# Altium PCB RK_NVR_DEMO1_RK3588_LP4XD200P232SD8_V21_20211228_final_lint.PcbDoc (part 19 of 29)
Units mm, origin at the board's own origin, x right, y up, seen from the top; angles counter-clockwise.
Board outline 170.08 x 169.98 mm, 8 copper layers (TOP, L2-GND1, L3-POWER1, L4-S1, L5-GND2, L6-S2, L7-GND3, BOTTOM), stack 2.118 mm thick; 1650 components, 1119 nets, 6165 pads, 15417 vias.
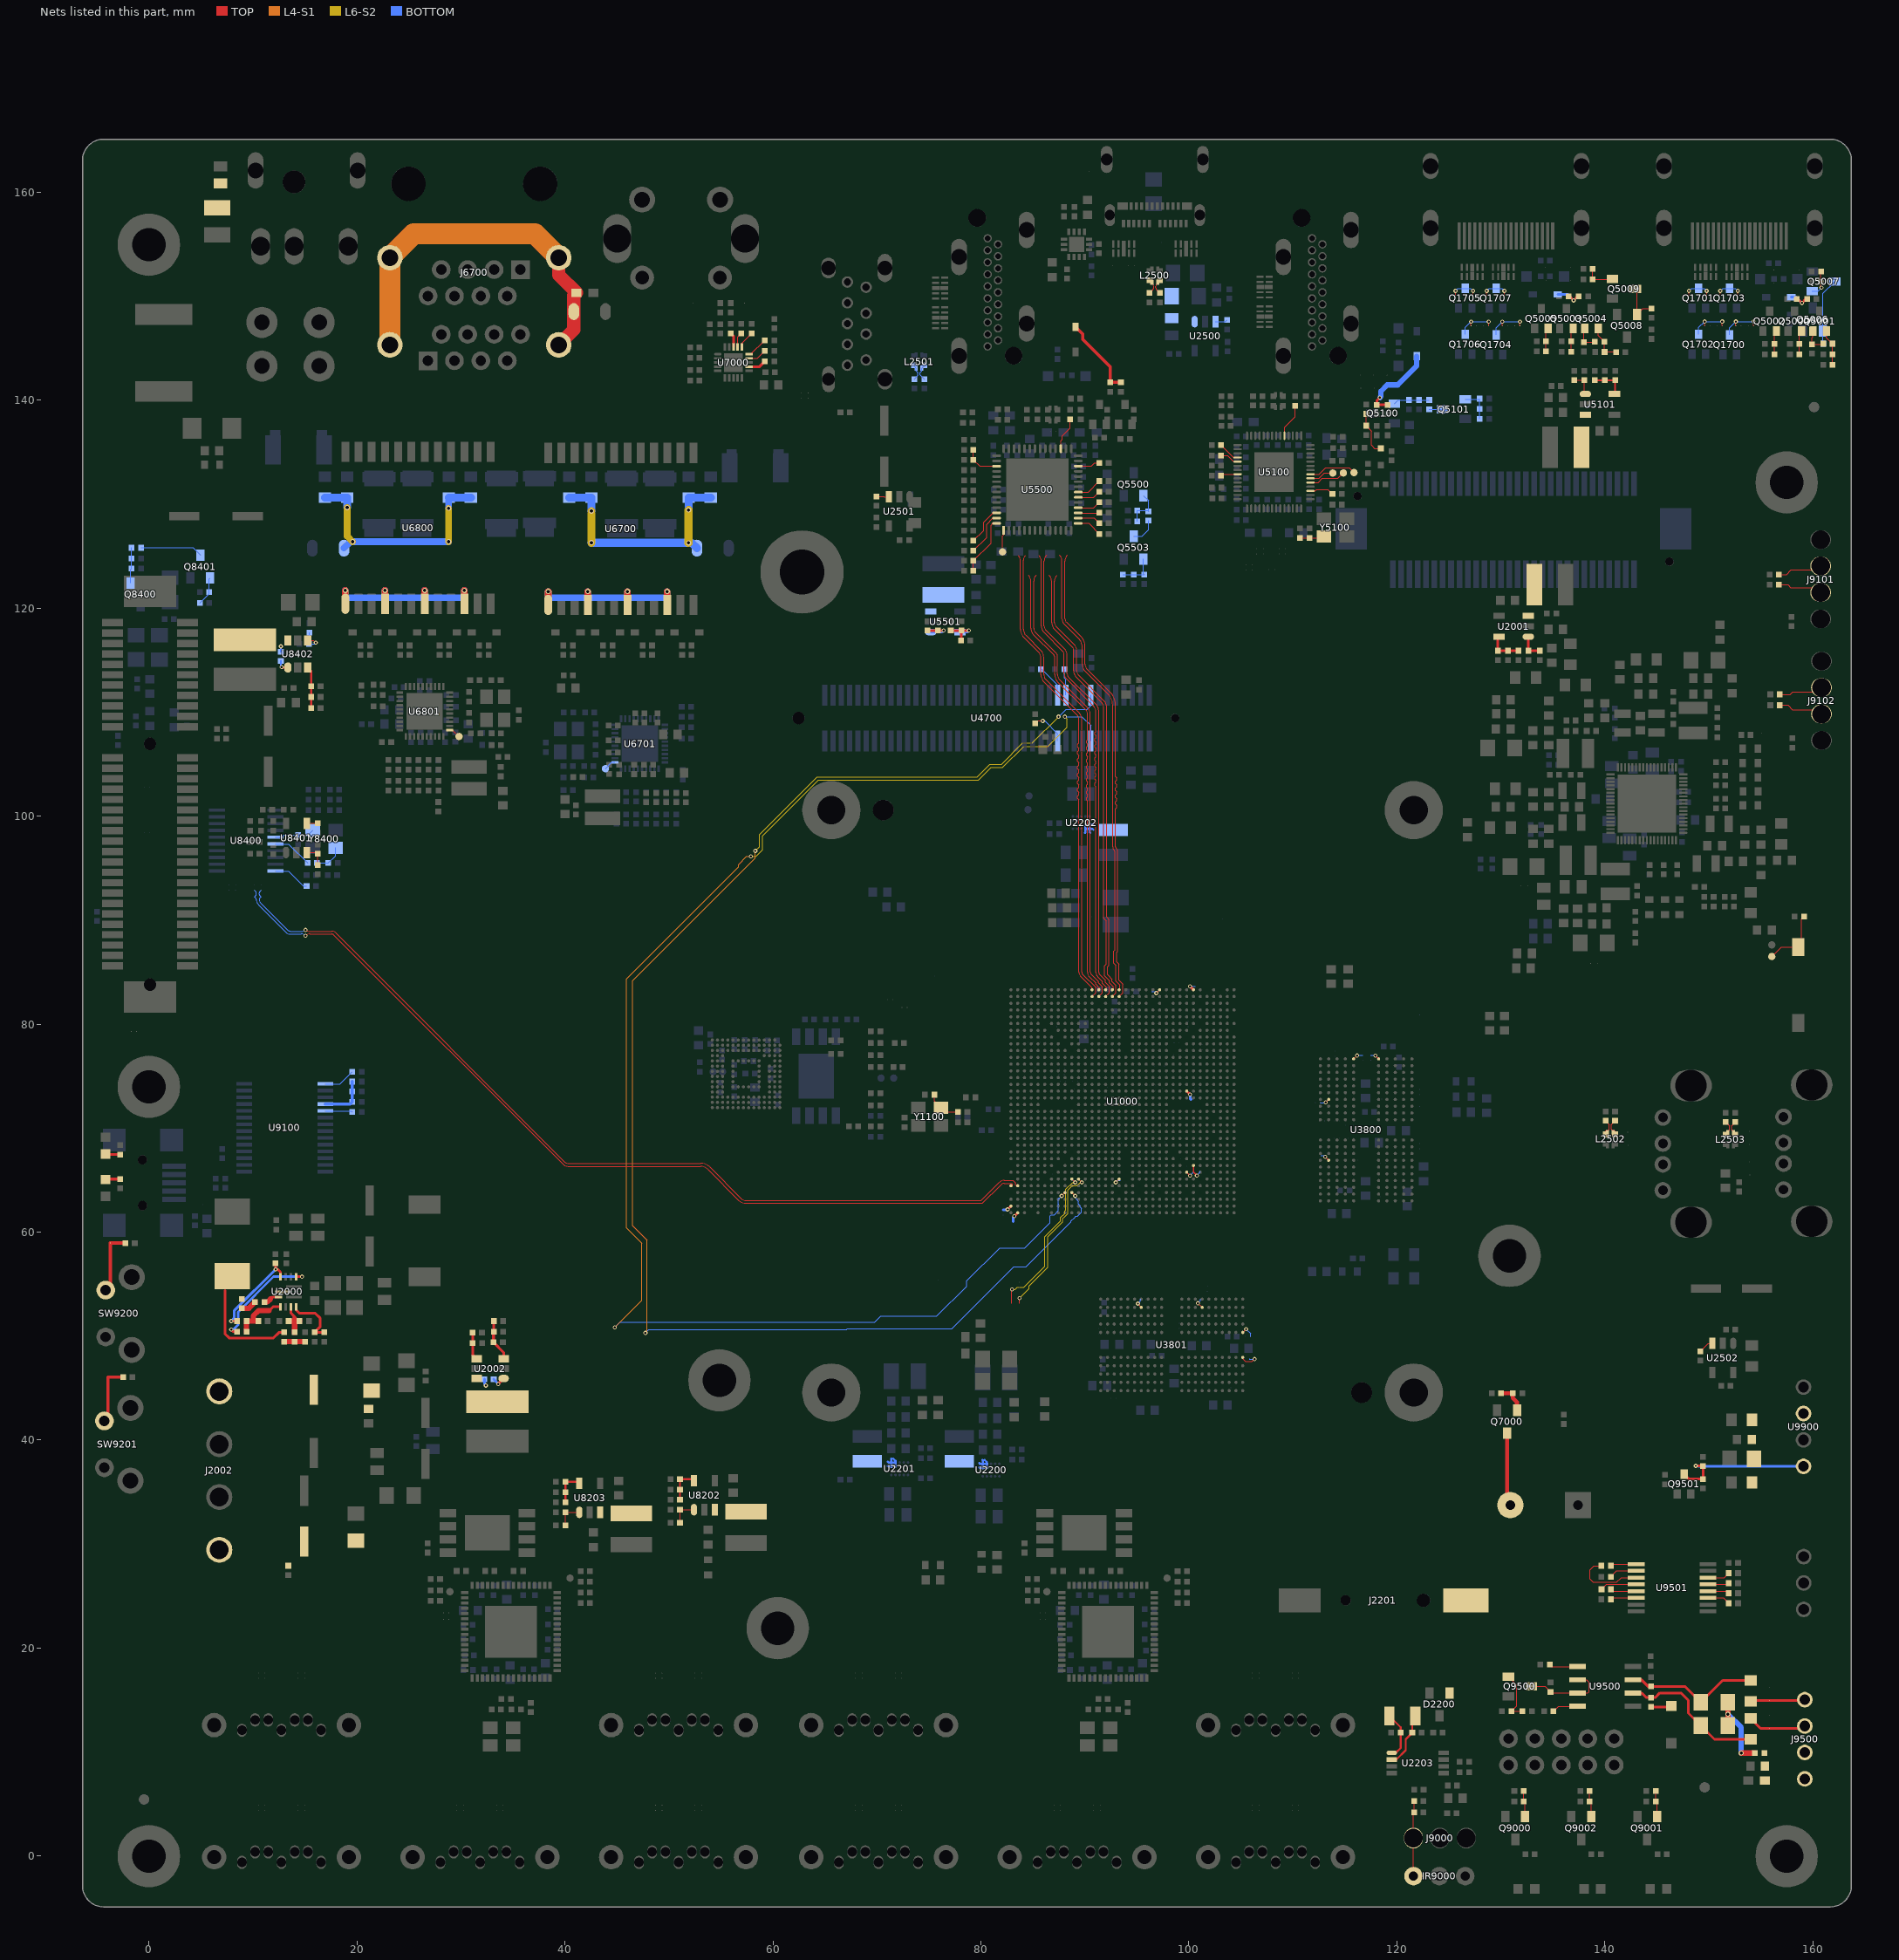
[diagram p25: the nets of this part, all layers, seen from the top]

## Via types
v1: diameter 0.4, hole 0.2, TOP to BOTTOM, 1688 vias
v2: diameter 0.4/0.4 (per signal layer), hole 0.2, TOP to L2-GND1, 1605 vias
v3: diameter 0/0/0/0/0/0/0/0.4 (per signal layer), hole 0.2, TOP to BOTTOM, 1253 vias
v4: diameter 0.4/0/0/0/0/0/0/0 (per signal layer), hole 0.2, TOP to BOTTOM, 1253 vias
v5: diameter 0.5, hole 0.3, TOP to BOTTOM, 857 vias
v6: diameter 0.4/0.4/0.4/0.4/0.4 (per signal layer), hole 0.2, L4-S1 to BOTTOM, 836 vias
v7: diameter 0/0/0/0/0/0/0/0.5 (per signal layer), hole 0.3, TOP to BOTTOM, 772 vias
v8: diameter 0.5/0/0/0/0/0/0/0 (per signal layer), hole 0.3, TOP to BOTTOM, 772 vias
v9: diameter 0.5/0.5 (per signal layer), hole 0.3, TOP to L2-GND1, 766 vias
v10: diameter 0.4/0.4 (per signal layer), hole 0.2, L7-GND3 to BOTTOM, 611 vias
v11: diameter 0.4/0.4/0.4/0.4 (per signal layer), hole 0.2, L5-GND2 to BOTTOM, 579 vias
v12: diameter 0.4 (per signal layer), hole 0.2, L6-S2 to L6-S2, 535 vias
v13: diameter 0.5/0.5/0.5/0.5/0.5 (per signal layer), hole 0.3, L4-S1 to BOTTOM, 457 vias
v14: diameter 0.5/0.5/0.5/0.5 (per signal layer), hole 0.3, L5-GND2 to BOTTOM, 455 vias
v15: diameter 0.4 (per signal layer), hole 0.2, L5-GND2 to L5-GND2, 418 vias
v16: diameter 0.5/0.5/0.5 (per signal layer), hole 0.3, TOP to L3-POWER1, 306 vias
v17: diameter 0.4 (per signal layer), hole 0.2, L4-S1 to L4-S1, 300 vias
v18: diameter 0.4/0.4/0.4 (per signal layer), hole 0.2, TOP to L3-POWER1, 287 vias
v19: diameter 0.5 (per signal layer), hole 0.3, L3-POWER1 to L3-POWER1, 242 vias
v20: diameter 0.5 (per signal layer), hole 0.3, L4-S1 to L4-S1, 240 vias
v21: diameter 0.5/0.5 (per signal layer), hole 0.3, L7-GND3 to BOTTOM, 192 vias
v22: diameter 0.5 (per signal layer), hole 0.3, L6-S2 to L6-S2, 166 vias
v23: diameter 0.4/0.4/0.4/0.4/0.4 (per signal layer), hole 0.2, TOP to L5-GND2, 134 vias
v24: diameter 0.5 (per signal layer), hole 0.3, L5-GND2 to L5-GND2, 114 vias
v25: diameter 0.5/0.5 (per signal layer), hole 0.3, L3-POWER1 to L4-S1, 111 vias
v26: diameter 0.4 (per signal layer), hole 0.2, L3-POWER1 to L3-POWER1, 93 vias
v27: diameter 0.4/0.4 (per signal layer), hole 0.2, L4-S1 to L5-GND2, 59 vias
v28: diameter 0.4/0.4/0/0/0.4/0/0.4/0.4 (per signal layer), hole 0.2, TOP to BOTTOM, 56 vias
v29: diameter 0.4/0/0/0.4/0/0/0/0.4 (per signal layer), hole 0.2, TOP to BOTTOM, 51 vias
v30: diameter 0.5/0.5 (per signal layer), hole 0.3, L4-S1 to L5-GND2, 46 vias
v31: diameter 0.4/0/0/0/0/0.4/0/0.4 (per signal layer), hole 0.2, TOP to BOTTOM, 42 vias
v32: diameter 0.5/0.5/0.5/0.5/0.5 (per signal layer), hole 0.3, TOP to L5-GND2, 32 vias
v33: diameter 0.4/0.4 (per signal layer), hole 0.2, L3-POWER1 to L4-S1, 29 vias
v34: diameter 0.4/0/0.4/0/0/0/0/0.4 (per signal layer), hole 0.2, TOP to BOTTOM, 29 vias
v35: diameter 0.4/0.4/0/0/0.4/0.4/0.4/0.4 (per signal layer), hole 0.2, TOP to BOTTOM, 21 vias
v36: diameter 0.5/0.5/0.5/0/0.5/0.5/0.5/0.5 (per signal layer), hole 0.3, TOP to BOTTOM, 4 vias
v37: diameter 0.5/0.5/0/0.5/0.5/0.5/0.5/0.5 (per signal layer), hole 0.3, TOP to BOTTOM, 3 vias
v38: diameter 0.4/0/0.4/0.4/0/0/0/0.4 (per signal layer), hole 0.2, TOP to BOTTOM, 2 vias
v39: diameter 0.4/0.4/0.4/0/0.4/0/0.4/0.4 (per signal layer), hole 0.2, TOP to BOTTOM, 1 vias

## Nets (pads, with @x,y where several pads share a name; then routed paths per layer and width w, separated by ;. In a path a pad name is that pad's centre, name@x,y a point inside that pad or via, vN(x,y) a via of type N, cw(c..) or ccw(c..) an arc to the next point about the centre after c; other vN are vias at no path point) (continued)
MIPI_DPHY1_TX_CLKN: R5525.1 U1000.AP20 | length 44.9
  TOP w0.076: R5525.1@85.581,125.061 cw(c85.06,124.54) 85.797,124.54 85.797,118.293 ccw(c86.648,118.293) 86.047,117.691 87.877,115.861 cw(c87.573,115.558) 88.002,115.558 88.002,113.719 ccw(c88.749,113.719) 88.221,113.191 90.879,110.533 cw(c90.465,110.119) 91.05,110.119 91.05,108.122 90.974,108.046 90.974,107.817 91.05,107.741 91.05,107.513 90.974,107.436 90.974,107.208 91.05,107.132 91.05,106.903 90.974,106.827 90.974,106.598 91.05,106.522 91.05,106.293 90.974,106.217 90.974,105.989 91.05,105.912 91.05,105.684 90.974,105.608 90.974,105.379 91.05,105.303 91.05,105.074 90.974,104.998 90.974,104.769 91.05,104.693 91.05,104.465 90.974,104.388 90.974,104.16 91.05,104.084 91.05,103.855 90.974,103.779 90.974,103.55 91.05,103.474 91.05,103.245 90.974,103.169 90.974,102.941 91.05,102.864 91.05,84.976 ccw(c91.602,84.976) 91.212,84.586 91.228,84.57 91.681,84.117 91.681,83.914 92.062,83.533 92.062,83.377 U1000.AP20@91.991,83.306
MIPI_DPHY1_TX_CLKP: R5526.1 U1000.AN20 | length 45.1
  TOP w0.076: R5526.1@86.293,125.061 ccw(c86.814,124.54) 86.077,124.54 86.077,118.293 ccw(c86.648,118.293) 86.244,117.889 88.074,116.059 cw(c87.573,115.558) 88.282,115.558 88.282,113.719 ccw(c88.749,113.719) 88.419,113.388 91.077,110.731 cw(c90.465,110.119) 91.33,110.119 91.33,84.976 ccw(c91.602,84.976) 91.41,84.783 91.96,84.233 91.96,84.03 92.341,83.649 92.341,83.006 U1000.AN20@91.991,82.656
MIPI_DPHY1_TX_D0N: R5530.1 U1000.AP18 | length 44
  TOP w0.076: R5530.1@87.581,125.061 cw(c87.06,124.54) 87.797,124.54 87.797,119.009 ccw(c88.584,119.009) 88.028,118.453 89.46,117.021 cw(c88.81,116.37) 89.73,116.37 89.73,114.625 ccw(c90.703,114.626) 90.015,113.938 92.25,111.702 cw(c91.221,110.673) 92.676,110.673 92.676,97.045 ccw(c93.149,97.045) 92.814,96.711 cw(c92.658,96.554) 92.879,96.554 92.879,87.124 92.778,87.022 92.778,85.851 92.981,85.648 92.981,84.124 93.362,83.743 93.362,83.377 U1000.AP18@93.291,83.306
MIPI_DPHY1_TX_D0P: R5532.1 U1000.AN18 | length 45.2
  TOP w0.076: R5532.1@88.293,125.061 ccw(c88.814,124.54) 88.077,124.54 88.077,119.009 ccw(c88.584,119.009) 88.225,118.651 89.658,117.218 cw(c88.81,116.37) 90.009,116.37 90.009,114.626 ccw(c90.703,114.626) 90.212,114.135 92.447,111.9 cw(c91.221,110.673) 92.955,110.674 92.955,103.796 93.057,103.694 93.057,103.466 92.955,103.364 92.955,103.136 93.057,103.034 93.057,102.805 92.955,102.704 92.955,102.475 93.057,102.374 93.057,102.145 92.955,102.043 92.955,101.815 93.057,101.713 93.057,101.485 92.955,101.383 92.955,101.154 93.057,101.053 93.057,100.824 92.955,100.723 92.955,97.045 ccw(c93.149,97.045) 93.012,96.908 cw(c92.658,96.554) 93.159,96.554 93.159,87.008 93.057,86.906 93.057,85.967 93.26,85.763 93.26,84.239 93.641,83.858 93.641,83.006 U1000.AN18@93.291,82.656
MIPI_DPHY1_TX_D1N: R5527.1 U1000.AP19 | length 42.4
  TOP w0.076: R5527.1@86.581,123.131 cw(c86.06,122.609) 86.797,122.609 86.797,118.606 ccw(c87.629,118.605) 87.041,118.017 88.803,116.275 cw(c88.492,115.986) 88.917,115.986 ; 88.917,115.986 88.917,113.997 ccw(c89.871,113.997) 89.196,113.322 91.635,110.884 cw(c91.205,110.455) 91.812,110.455 91.812,90.169 92.041,89.94 92.041,85.778 91.889,85.625 91.889,84.632 92.331,84.189 92.331,83.986 92.712,83.605 92.712,83.377 U1000.AP19@92.641,83.306
MIPI_DPHY1_TX_D1P: R5529.1 U1000.AN19 | length 43.1
  TOP w0.076: R5529.1@87.293,123.131 ccw(c87.814,122.609) 87.077,122.609 87.077,118.606 ccw(c87.629,118.605) 87.238,118.215 88.99,116.484 ; 88.99,116.484 cw(c88.492,115.986) 89.196,115.986 89.196,113.997 ccw(c89.871,113.997) 89.394,113.52 91.832,111.082 cw(c91.205,110.455) 92.092,110.455 92.092,90.285 92.32,90.056 92.32,85.662 92.168,85.509 92.168,84.747 92.61,84.305 92.61,84.102 92.991,83.721 92.991,83.006 U1000.AN19@92.641,82.656
MIPI_DPHY1_TX_D2N: R5523.1 U1000.AP21 | length 43.1
  TOP w0.076: R5523.1@84.581,123.131 cw(c84.06,122.609) 84.797,122.609 84.797,118.051 ccw(c85.594,118.051) 85.031,117.488 87.012,115.507 cw(c86.828,115.323) 87.088,115.323 87.088,113.609 ccw(c88.061,113.61) 87.373,112.922 90.116,110.178 cw(c89.823,109.885) 90.238,109.885 90.238,107.637 90.238,107.339 90.161,107.263 90.161,107.034 90.238,106.958 90.238,106.729 90.161,106.653 90.161,106.424 90.238,106.348 90.238,106.12 90.161,106.043 90.161,105.815 90.238,105.739 90.238,105.51 90.161,105.434 90.161,105.205 90.238,105.129 90.238,104.9 90.161,104.824 90.161,104.596 90.238,104.519 90.238,104.291 90.161,104.215 90.161,103.986 90.238,103.91 90.238,103.681 90.161,103.605 90.161,103.376 90.238,103.3 90.238,103.072 90.161,102.995 90.161,102.767 90.238,102.691 90.238,102.462 90.161,102.386 90.161,102.157 90.238,102.081 90.238,101.852 90.161,101.776 90.161,101.548 90.238,101.471 90.238,85.018 ccw(c90.864,85.018) 90.421,84.575 91.031,83.965 91.031,83.852 91.405,83.478 91.405,83.37 U1000.AP21@91.341,83.306
MIPI_DPHY1_TX_D2P: R5524.1 U1000.AN21 | length 43.3
  TOP w0.076: R5524.1@85.293,123.131 ccw(c85.814,122.609) 85.077,122.609 85.077,118.051 ccw(c85.594,118.051) 85.228,117.686 87.209,115.704 cw(c86.828,115.323) 87.367,115.323 87.367,113.61 ccw(c88.061,113.61) 87.571,113.119 90.314,110.376 cw(c89.823,109.885) 90.517,109.885 90.517,85.018 ccw(c90.864,85.018) 90.619,84.773 91.31,84.081 91.31,83.968 91.684,83.594 91.684,82.999 U1000.AN21@91.341,82.656
MIPI_DPHY1_TX_D3N: R5520.1 U1000.AP22 | length 45.3
  TOP w0.076: R5520.1@83.581,125.061 83.624,125.019 cw(c83.205,124.6) 83.797,124.6 83.797,117.972 ccw(c84.905,117.972) 84.122,117.189 85.562,115.749 cw(c85.066,115.253) 85.767,115.253 85.767,113.609 ccw(c86.74,113.61) 86.052,112.922 89.253,109.721 cw(c88.837,109.305) 89.425,109.305 89.425,107.035 89.298,106.908 89.298,106.679 89.425,106.552 89.425,106.323 89.298,106.196 89.298,105.968 89.425,105.841 89.425,105.612 89.298,105.485 89.298,105.257 89.425,105.13 89.425,104.901 89.298,104.774 89.298,104.545 89.425,104.418 89.425,104.19 89.298,104.063 89.298,103.834 89.425,103.707 89.425,103.479 89.298,103.352 89.298,103.123 89.425,102.996 89.425,102.767 89.298,102.64 89.298,102.412 89.425,102.285 89.425,102.056 89.298,101.929 89.298,101.701 89.425,101.574 89.425,85.018 ccw(c90.051,85.018) 89.608,84.575 90.691,83.493 U1000.AP22@90.691,83.306
MIPI_DPHY1_TX_D3P: R5521.1 U1000.AN22 | length 45.3
  TOP w0.076: R5521.1@84.293,125.061 84.25,125.019 ccw(c84.669,124.6) 84.077,124.6 84.077,117.972 ccw(c84.905,117.972) 84.319,117.386 85.759,115.946 cw(c85.065,115.253) 86.047,115.253 86.047,113.61 ccw(c86.74,113.61) 86.25,113.119 89.45,109.919 cw(c88.837,109.305) 89.704,109.305 89.704,85.018 ccw(c90.051,85.018) 89.806,84.773 91.041,83.537 91.041,83.006 U1000.AN22@90.691,82.656
MIPICSI0_PWREN_H_GPIO1_B1: U1000.D25 U4700.65 | length 140.6
  TOP w0.102: U1000.D25@88.74,63.806 v4(89.065,63.481)
  L4-S1 w0.102: v4(47.743,50.305) 47.896,50.457 47.896,59.22 46.524,60.592 46.524,84.163 58.31,95.949 v4(58.31,96.66)
  L6-S2 w0.102: v4(58.31,96.66) 58.716,97.066 58.716,98.228 64.26,103.772 79.646,103.772 80.865,104.991 81.983,104.991 84.015,107.023 84.929,107.023 v4(87.469,109.563)
  BOTTOM w0.089: 89.023,61.424 89.131,61.532 89.298,61.532 89.659,61.893 89.659,62.294 89.552,62.401 89.552,62.535 89.39,62.696 89.39,62.965 89.065,63.29 v4(89.065,63.481)
  BOTTOM w0.102: v4(47.743,50.305) 48.074,50.635 67.098,50.635 67.162,50.699 77.199,50.699 83.18,56.68 84.345,56.68 88.663,60.998 88.663,61.063 89.023,61.424 ; v4(87.469,109.563) 88.18,110.274 90.212,110.274 90.57,110.632 U4700.65@90.57,111.636
  other v3: 47.743,50.305 89.065,63.481 58.31,96.66 87.469,109.563
  other v12: 58.31,96.66 87.469,109.563
  other v17: 47.743,50.305 58.31,96.66
MIPICSI1_PWREN_H_GPIO1_B2: U1000.D26 U4700.66 | length 143.9
  TOP w0.102: v4(87.766,63.481) U1000.D26@88.091,63.806
  L4-S1 w0.102: v4(44.797,50.838) 47.388,53.429 47.388,58.916 45.915,60.389 45.915,84.366 56.684,95.136 56.684,95.339 57.472,96.127 v4(57.878,96.127)
  L6-S2 w0.102: v4(57.878,96.127) 58.386,96.127 59.021,96.762 59.021,98.102 64.386,103.467 79.772,103.467 80.991,104.686 82.084,104.686 84.116,106.718 86.453,106.718 88.282,108.547 88.282,109.36 v4(88.079,109.563)
  BOTTOM w0.089: 86.656,61.557 86.758,61.659 87.053,61.659 87.463,62.069 87.463,62.674 87.441,62.696 87.441,63.156 v4(87.766,63.481)
  BOTTOM w0.102: v4(44.797,50.838) 45.305,51.346 69.791,51.346 70.367,51.923 75.752,51.923 78.63,54.801 78.63,55.309 81.805,58.484 84.218,58.484 86.656,60.922 86.656,61.557 ; v4(88.079,109.563) 89.704,109.563 90.57,108.698 U4700.66@90.57,107.236
  other v3: 44.797,50.838 87.766,63.481 57.878,96.127 88.079,109.563
  other v12: 57.878,96.127 88.079,109.563
  other v17: 44.797,50.838 57.878,96.127
N14549718: D5000.2 R5001.1 R5007.1 | length 2.6
  TOP w0.254: R5001.1@158.441,149.727 158.548,149.727 v4(158.939,149.336) 159.329,149.727 R5007.1@159.439,149.727
  BOTTOM w0.254: D5000.2@157.92,149.902 158.373,149.902 v4(158.939,149.336)
  other v3: 158.939,149.336
N14549722: Q5000.2 R5002.2 R5003.2 | length 2.3
  TOP w0.102: R5003.2@158.695,144.393 R5002.2@158.695,145.422 158.695,146.452 Q5000.2@158.895,146.651
N14550286: C5003.2 Q5001.2 R5006.2 R5008.2 | length 3.5
  TOP w0.102: Q5001.2@161.301,146.651 161.301,146.011 C5003.2@161.884,145.428 R5006.2@161.884,144.412 R5008.2@161.884,143.396
N15154665: R2004.2 R2008.1 U2000.12 | length 5.4
  TOP w0.254: U2000.12@14.154,52.817 14.154,52.526 14.469,52.21 15.993,52.21 16.451,51.753 16.451,50.882 R2008.1@15.943,50.374 R2004.2@16.857,50.374
N15156181: R2005.1 U2000.8 | length 1.5
  TOP w0.254: 11.693,53.582 11.879,53.767 U2000.8@12.454,53.767
  TOP w0.508: R2005.1@11.109,53.277 11.388,53.277 11.693,53.582
N15156236: C2008.1 R2005.2 | length 1.5
  TOP w0.508: C2008.1@8.932,52.674 9.607,52.674 R2005.2@10.209,53.277
N15156243: C2008.2 L2000.1 R2015.1 U2000.7 | length 10.3
  TOP w0.254: 7.307,54.394 7.307,50.229 7.713,49.822 11.98,49.822 12.532,50.374 R2015.1@12.996,50.374
N15159881: R2009.2 U2000.3 | length 10.8
  TOP w0.254: v4(7.916,50.635) 8.119,50.432 R2009.2@8.482,50.432 ; U2000.3@14.154,55.717 v4(14.721,55.717)
  BOTTOM w0.254: v4(7.916,50.635) 8.119,50.635 8.577,51.092 8.577,52.312 11.982,55.717 v4(14.721,55.717)
  other v3: 7.916,50.635 14.721,55.717
N15164980: LED2000.1 R2007.2 | length 1.4
  TOP w0.254: LED2000.1@-4.174,67.513 -4.118,67.457 R2007.2@-2.752,67.457
N15183032: L2501.2 R2518.1 R2519.2 | length 1.7
  BOTTOM w0.084: R2519.2@74.566,142.017 74.159,142.424 74.159,142.635 74.333,142.808 L2501.2@74.333,143.076 74.566,143.309 R2518.1@74.566,143.352
N15183044: L2501.4 R2520.2 R2521.1 | length 1.7
  BOTTOM w0.084: R2521.1@73.55,143.352 73.55,143.309 L2501.4@73.783,143.076 73.783,142.808 73.956,142.635 73.956,142.373 R2520.2@73.601,142.017
N15216631: C8225.2 R8213.2 R8214.1 U8202.5 | length 3.4
  TOP w0.203: R8213.2@51.064,34.269 C8225.2@51.064,35.254 R8214.1@51.064,36.238 52.282,36.238 U8202.5@52.411,36.109
N15216635: C8237.1 R8212.2 U8202.1 | length 2.6
  TOP w0.102: R8212.2@51.064,32.065 C8237.1@51.064,33.304 52.406,33.304 U8202.1@52.411,33.309
N15216667: L8200.1 U8202.3
N15216687: C8243.2 R8216.2 R8217.1 U8203.5 | length 3.4
  TOP w0.203: R8216.2@40.04,34.015 C8243.2@40.04,35 R8217.1@40.04,35.984 41.259,35.984 U8203.5@41.388,35.855
N15216691: C8255.1 R8215.2 U8203.1 | length 2.6
  TOP w0.102: R8215.2@40.04,31.811 C8255.1@40.04,33.05 41.382,33.05 U8203.1@41.388,33.055
N15216723: L8201.1 U8203.3
N15224188: C8419.1 U8400.5 Y8400.1 | length 3.9
  BOTTOM w0.102: U8400.5@12.164,97.976 12.788,97.976 13.014,98.202 C8419.1@14.342,98.202 15.3,98.202 Y8400.1@15.753,98.655
N15224212: C8420.1 R8414.1 Y8400.3 | length 2.8
  BOTTOM w0.102: R8414.1@16.164,95.498 C8420.1@17.256,95.497 17.953,96.194 Y8400.3@17.953,96.955
N15224434: R8414.2 U8400.6 | length 3.9
  BOTTOM w0.102: U8400.6@12.164,97.325 13.436,97.325 R8414.2@15.264,95.498
N15224658: R8421.1 U8400.10 | length 3.6
  BOTTOM w0.102: U8400.10@12.164,94.725 13.407,94.725 14.863,93.269 R8421.1@15.162,93.269
N15225736: C8427.1 U8401.4 | length 1.1
  TOP w0.102: U8401.4@15.181,99.304 16.244,99.304 C8427.1@16.246,99.302
N15225932: C8426.1 R8427.2 U8401.3 | length 2.2
  TOP w0.102: U8401.3@15.181,96.504 16.13,96.504 C8426.1@16.246,96.388 R8427.2@16.246,95.307
N15230520: D9103.1 J9101.3 R9106.2 | length 4.3
  TOP w0.102: R9106.2@156.733,122.253 157.587,122.253 D9103.1@157.872,121.968 160.281,121.968 J9101.3@160.744,121.505
N15230524: D9102.1 J9101.2 R9107.2 | length 4.3
  TOP w0.102: R9107.2@156.733,123.237 157.473,123.237 D9102.1@157.911,123.676 160.288,123.676 160.375,123.676 J9101.2@160.744,124.045
N15231634: D9105.1 J9102.3 R9108.2 | length 4.4
  TOP w0.102: R9108.2@156.809,110.664 157.591,110.664 D9105.1@158.022,110.233 160.408,110.233 J9102.3@160.821,109.821
N15231638: D9104.1 J9102.2 R9109.2 | length 4.3
  TOP w0.102: R9109.2@156.809,111.712 157.833,111.712 D9104.1@158.062,111.941 160.4,111.941 J9102.2@160.821,112.361
N15234556: D9200.1 R9200.2 SW9200.1 | length 6.2
  TOP w0.305: SW9200.1@-4.153,54.42 -3.711,54.862 D9200.1@-3.711,58.951 -2.278,58.951 R9200.2@-2.258,58.931
N15542277: R1202.2 U1000.G8 | length 1
  TOP w0.089: U1000.G8@99.791,65.756 v4(100.115,65.431)
  BOTTOM w0.089: v4(100.115,65.431) 100.448,65.764 R1202.2@100.448,65.828
  other v3: 100.115,65.431
N15552314: D9201.1 R9201.2 SW9201.1 | length 5.8
  TOP w0.305: SW9201.1@-4.28,41.847 -3.939,42.187 D9201.1@-3.939,46.073 -2.507,46.073 R9201.2@-2.487,46.054
N15763811: C2021.2 R2012.2 R2013.1 U2001.5 | length 3.4
  TOP w0.254: U2001.5@129.833,117.254 129.705,117.125 R2013.1@129.705,115.906 C2021.2@130.689,115.906 R2012.2@131.673,115.906
N15763819: C2025.1 R2011.2 U2001.1 | length 2.5
  TOP w0.254: U2001.1@132.633,117.254 132.639,117.248 C2025.1@132.639,115.906 R2011.2@133.75,115.906
N15763883: L2001.1 U2001.3
N15873508: C9900.1 C9901.1 R9900.2 R9901.2 U9900.2
N15889176: C5120.2 R5132.2 R5133.1 U5101.5 | length 3.3
  TOP w0.152: C5120.2@139.018,141.92 R5132.2@140.002,141.92 R5133.1@140.987,141.92 140.987,140.662 U5101.5@140.918,140.594
N15889184: C5134.1 R5131.2 U5101.1 | length 2.3
  TOP w0.102: R5131.2@137.049,141.92 C5134.1@138.033,141.92 138.033,140.679 U5101.1@138.118,140.594
N15889248: L5101.1 U5101.3
N15892812: C5108.2 Q5100.1 R5126.2 R5128.1 | length 3.5
  BOTTOM w0.102: Q5100.1@119.76,139.672 120.106,140.018 C5108.2@121.161,140.018 R5126.2@122.145,140.018 R5128.1@123.11,140.018
N15892844: Q5101.3 R5128.2 | length 1.3
  BOTTOM w0.102: R5128.2@123.11,139.118 123.12,139.129 Q5101.3@124.367,139.129
N15892870: C5114.1 Q5101.1 R5129.2 R5130.1 | length 3.4
  BOTTOM w0.102: Q5101.1@126.567,140.079 127.898,140.079 C5114.1@127.964,140.145 127.964,139.17 R5130.1@127.971,139.164 R5129.2@127.971,138.194
N15896189: C5104.1 R5115.1 Y5100.1 | length 2.4
  TOP w0.102: R5115.1@110.676,126.76 C5104.1@111.604,126.76 112.848,126.76 Y5100.1@112.988,126.9
N15898679: R5101.2 U5100.22 | length 1.6
  TOP w0.102: R5101.2@103.097,132.743 103.234,132.881 U5100.22@104.688,132.881
N15898906: R5107.1 U5100.19 | length 1.8
  TOP w0.102: R5107.1@103.097,134.673 103.71,134.673 104.303,134.081 U5100.19@104.688,134.081
N15898929: R5102.1 U5100.18 | length 2.1
  TOP w0.102: R5102.1@103.097,135.674 104.29,134.481 U5100.18@104.688,134.481
N15942277: R5113.1 U5100.5 | length 3.3
  TOP w0.102: U5100.5@109.188,136.581 109.188,137.378 110.227,138.418 R5113.1@110.227,139.466
N15950204: D5101.2 R5123.1 R5125.1 | length 7.9
  TOP w0.254: v4(118.355,140.246) 118.076,139.967 R5123.1@118.076,139.553 R5125.1@119.092,139.553
  BOTTOM w0.508: v4(118.355,140.246) 118.457,140.348 118.457,140.856 119.067,141.466 120.083,141.466 121.911,143.294 D5101.2@121.911,144.228
  other v3: 118.355,140.246
N15954648: R5117.1 U5100.45 | length 2.3
  TOP w0.102: U5100.45@111.688,131.28 112.132,131.28 112.259,131.407 113.366,131.407 R5117.1@113.802,130.971
N15954657: TP5102.1 U5100.47 | length 3.5
  TOP w0.102: U5100.47@111.688,132.081 112.425,132.081 112.83,132.486 114.339,132.486 TP5102.1@114.854,133.001
N15954666: TP5101.1 U5100.48 | length 2.4
  TOP w0.102: U5100.48@111.688,132.481 112.52,132.481 113.028,132.988 TP5101.1@113.838,132.988
N15954675: TP5100.1 U5100.49 | length 4.6
  TOP w0.102: U5100.49@111.688,132.881 112.514,132.881 113.136,133.503 115.406,133.503 TP5100.1@115.87,133.039
N15998572: R1917.1 U1000.F24 | length 14.9
  TOP w0.102: R1917.1@83.71,53.146 v4(83.71,53.658) ; U1000.F24@89.391,65.106 v4(89.716,64.781)
  L6-S2 w0.089: 87.996,61.424 88.345,61.773 88.345,64.036 88.765,64.455 89.199,64.455 89.524,64.781 v4(89.716,64.781)
  L6-S2 w0.102: v4(83.71,53.658) 84.637,54.585 84.637,54.813 86.453,56.63 86.453,59.576 87.875,60.999 87.875,61.303 87.996,61.424
  other v3: 83.71,53.658 89.716,64.781
  other v12: 83.71,53.658 89.716,64.781
N15998576: R1918.1 U1000.F25 | length 15.3
  TOP w0.102: R1918.1@82.948,53.146 82.948,54.445 v4(82.999,54.496) ; U1000.F25@88.74,65.106 v4(89.065,64.781)